# KiCad board Right.kicad_pcb
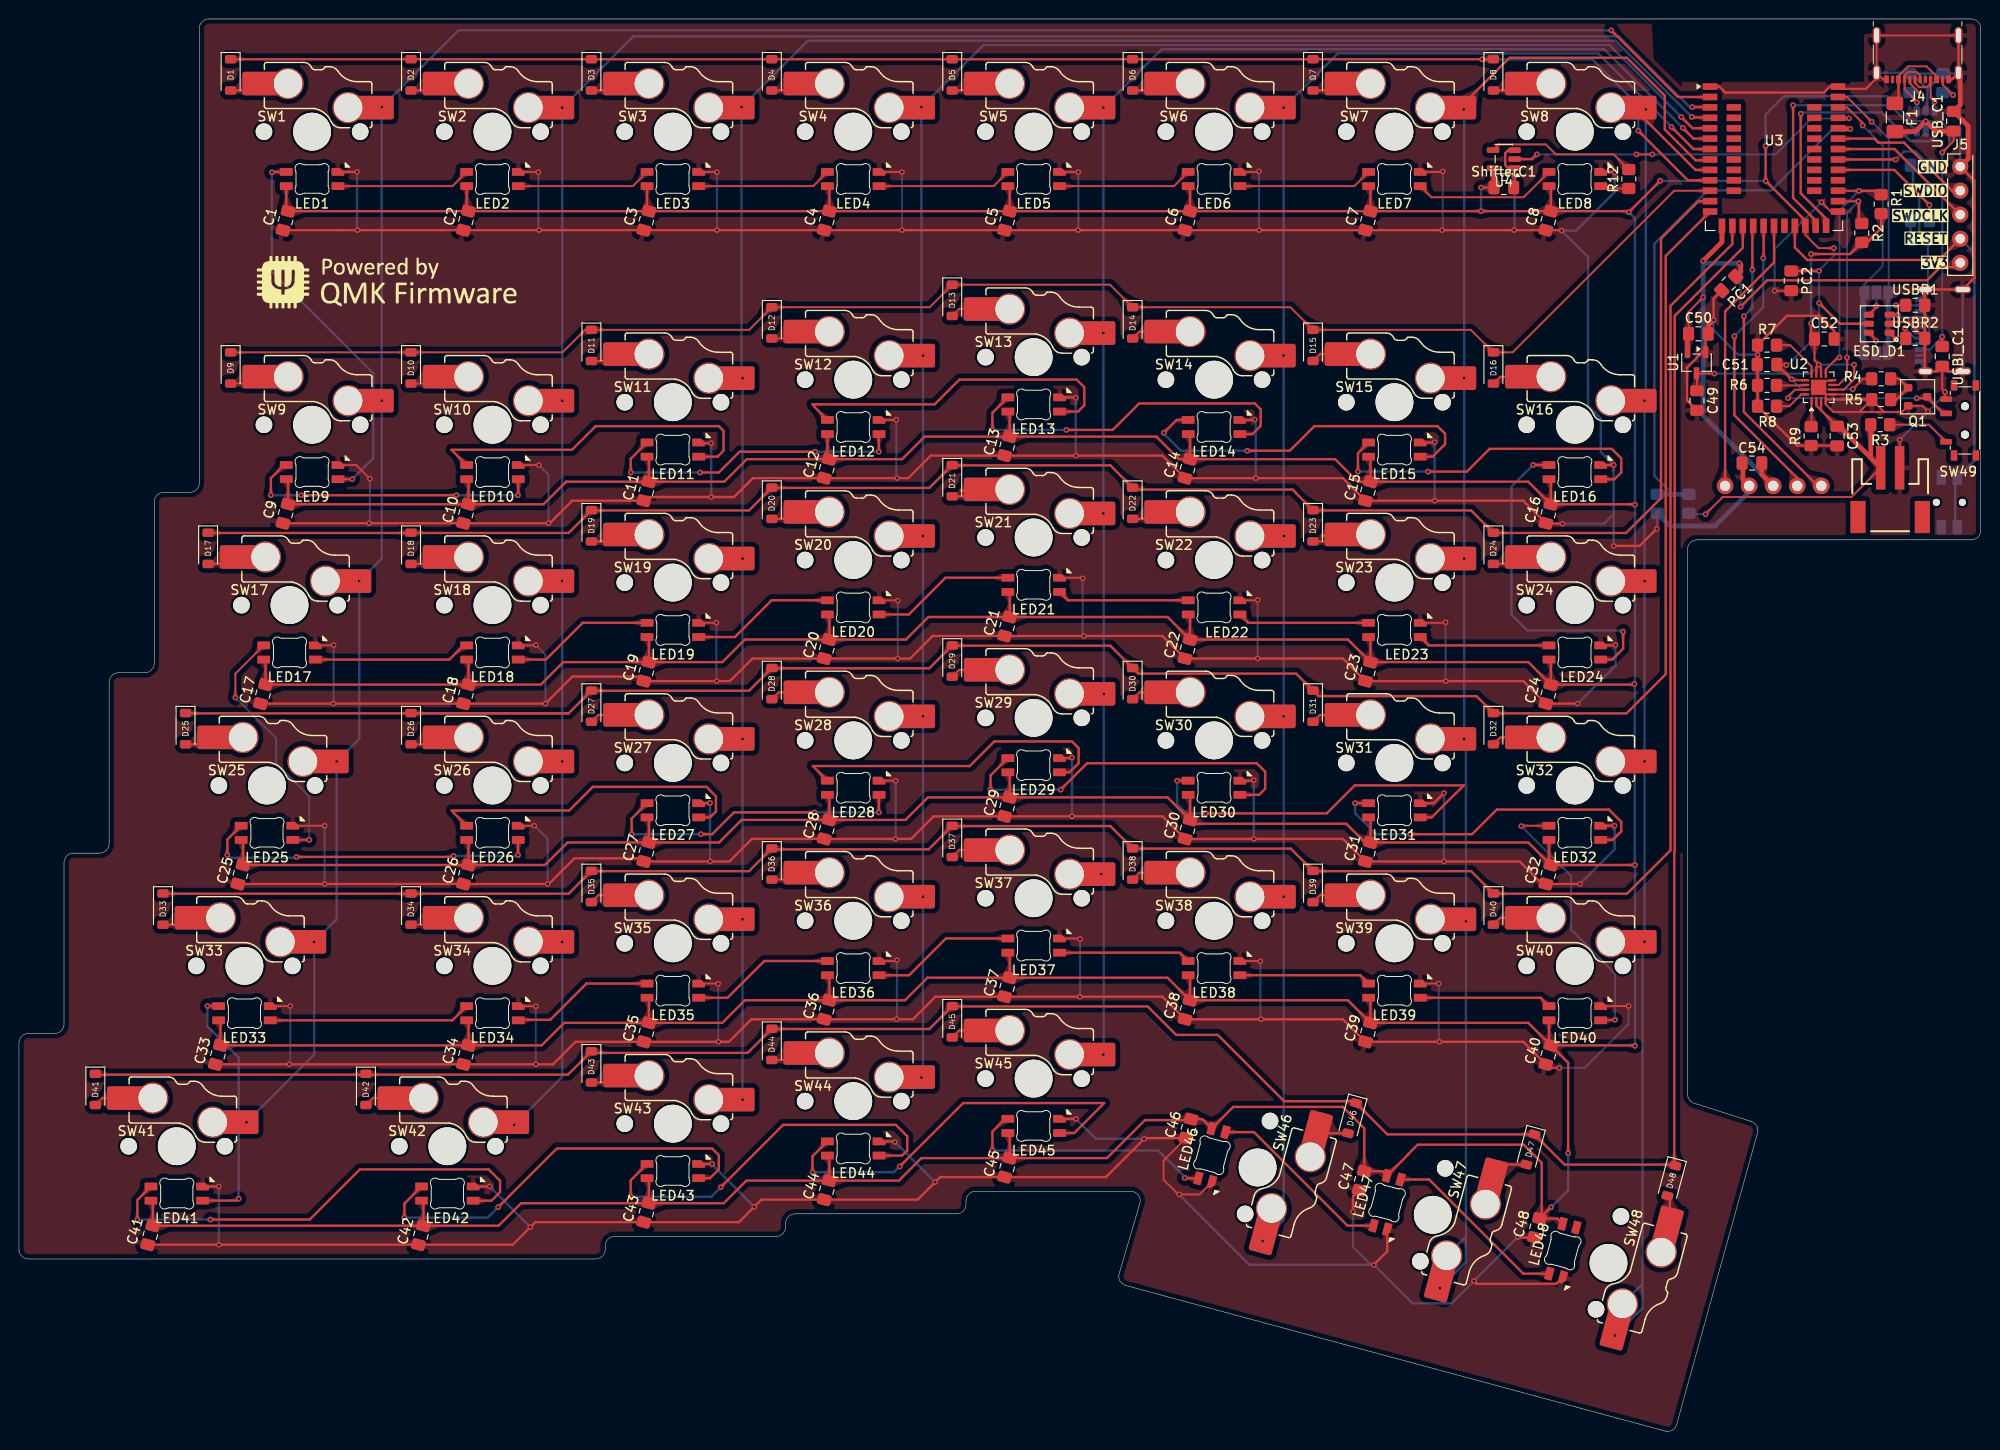
[diagram p0: board, top side]
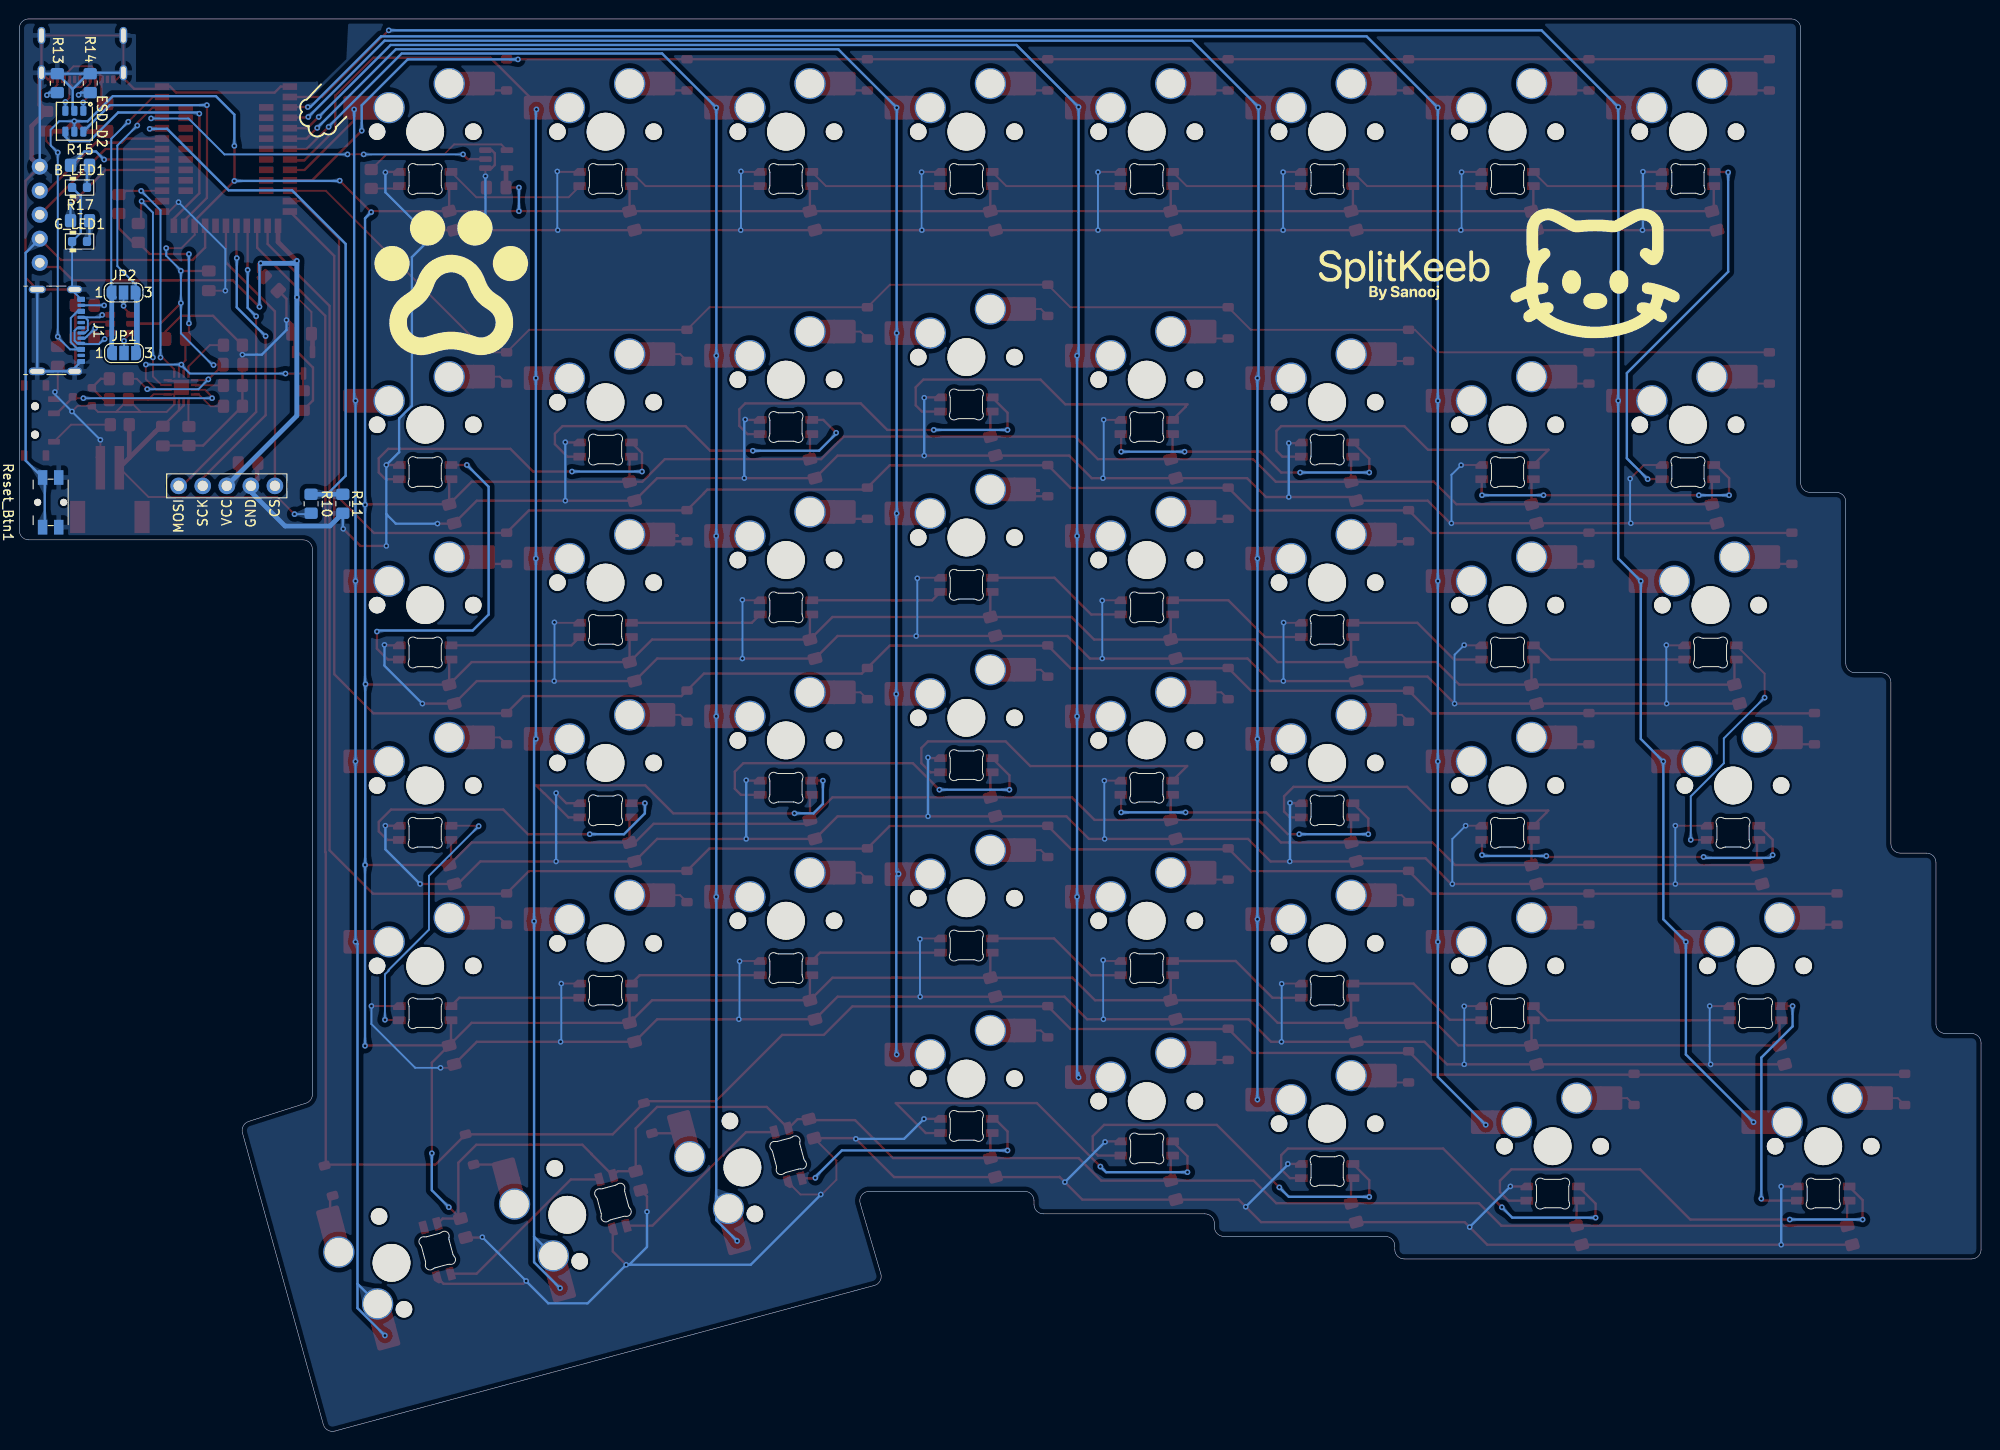
[diagram p1: board, bottom side, seen from below]

Outline 207.17 x 149.15 mm; copper layers: Top, Bottom. Coordinates in mm from the lower left corner of the outline.
Outline path: 0,40.99 0,19.17 arc(0.3,18.47) 1,18.18 60.92,18.18 arc(61.62,18.48) 61.91,19.18 61.91,19.56 arc(62.21,20.27) 62.91,20.56 79.96,20.56 arc(80.67,20.85) 80.96,21.56 80.96,21.94 arc(81.26,22.65) 81.97,22.94 99.02,22.94 arc(99.72,23.24) 100.01,23.94 100.01,24.32 arc(100.31,25.03) 101.01,25.32 117.41,25.32 arc(118.21,24.92) 118.37,24.04 116.18,16.59 arc(116.28,15.83) 116.89,15.37 173.84,0 arc(174.59,0.1) 175.06,0.7 183.6,31.49 arc(183.51,32.23) 182.94,32.7 176.91,34.63 arc(176.4,34.99) 176.21,35.58 176.21,93.13 arc(176.51,93.84) 177.21,94.13 206.17,94.13 arc(206.88,94.42) 207.17,95.13 207.17,148.16 arc(206.87,148.86) 206.17,149.15 20.05,149.15 arc(19.34,148.85) 19.05,148.15 19.05,100.14 arc(18.75,99.43) 18.04,99.14 15.28,99.14 arc(14.58,98.84) 14.29,98.14 14.29,81.09 arc(13.99,80.38) 13.29,80.09 10.52,80.09 arc(9.82,79.8) 9.52,79.09 9.52,62.04 arc(9.23,61.33) 8.52,61.04 5.76,61.04 arc(5.06,60.75) 4.76,60.04 4.76,42.99 arc(4.47,42.28) 3.75,41.99 0.99,41.99 arc(0.29,41.69) 0,40.99

## Placement (name value [footprint] x y rotation side)
B_LED1  LED_0603_Blue  [LED_0603_1608Metric]  200.81 131.34 180 bottom
C1  0.1uF  [C_0805_2012Metric_Pad1.18x1.45mm_HandSolder]  28.16 127.84 75 top
C2  0.1uF  [C_0805_2012Metric_Pad1.18x1.45mm_HandSolder]  47.21 127.84 75 top
C3  0.1uF  [C_0805_2012Metric_Pad1.18x1.45mm_HandSolder]  66.26 127.84 75 top
C4  0.1uF  [C_0805_2012Metric_Pad1.18x1.45mm_HandSolder]  85.31 127.84 75 top
C5  0.1uF  [C_0805_2012Metric_Pad1.18x1.45mm_HandSolder]  104.36 127.84 75 top
C6  0.1uF  [C_0805_2012Metric_Pad1.18x1.45mm_HandSolder]  123.41 127.84 75 top
C7  0.1uF  [C_0805_2012Metric_Pad1.18x1.45mm_HandSolder]  142.46 127.84 75 top
C8  0.1uF  [C_0805_2012Metric_Pad1.18x1.45mm_HandSolder]  161.51 127.84 75 top
C9  0.1uF  [C_0805_2012Metric_Pad1.18x1.45mm_HandSolder]  28.16 96.88 75 top
C10  0.1uF  [C_0805_2012Metric_Pad1.18x1.45mm_HandSolder]  47.21 96.88 75 top
C11  0.1uF  [C_0805_2012Metric_Pad1.18x1.45mm_HandSolder]  66.26 99.27 75 top
C12  0.1uF  [C_0805_2012Metric_Pad1.18x1.45mm_HandSolder]  85.31 101.65 75 top
C13  0.1uF  [C_0805_2012Metric_Pad1.18x1.45mm_HandSolder]  104.36 104.03 75 top
C14  0.1uF  [C_0805_2012Metric_Pad1.18x1.45mm_HandSolder]  123.41 101.65 75 top
C15  0.1uF  [C_0805_2012Metric_Pad1.18x1.45mm_HandSolder]  142.46 99.27 75 top
C16  0.1uF  [C_0805_2012Metric_Pad1.18x1.45mm_HandSolder]  161.51 96.88 75 top
C17  0.1uF  [C_0805_2012Metric_Pad1.18x1.45mm_HandSolder]  25.77 77.83 75 top
C18  0.1uF  [C_0805_2012Metric_Pad1.18x1.45mm_HandSolder]  47.21 77.83 75 top
C19  0.1uF  [C_0805_2012Metric_Pad1.18x1.45mm_HandSolder]  66.26 80.22 75 top
C20  0.1uF  [C_0805_2012Metric_Pad1.18x1.45mm_HandSolder]  85.31 82.6 75 top
C21  0.1uF  [C_0805_2012Metric_Pad1.18x1.45mm_HandSolder]  104.36 84.98 75 top
C22  0.1uF  [C_0805_2012Metric_Pad1.18x1.45mm_HandSolder]  123.41 82.6 75 top
C23  0.1uF  [C_0805_2012Metric_Pad1.18x1.45mm_HandSolder]  142.46 80.22 75 top
C24  0.1uF  [C_0805_2012Metric_Pad1.18x1.45mm_HandSolder]  161.51 77.83 75 top
C25  0.1uF  [C_0805_2012Metric_Pad1.18x1.45mm_HandSolder]  23.39 58.78 75 top
C26  0.1uF  [C_0805_2012Metric_Pad1.18x1.45mm_HandSolder]  47.21 58.78 75 top
C27  0.1uF  [C_0805_2012Metric_Pad1.18x1.45mm_HandSolder]  66.26 61.17 75 top
C28  0.1uF  [C_0805_2012Metric_Pad1.18x1.45mm_HandSolder]  85.31 63.55 75 top
C29  0.1uF  [C_0805_2012Metric_Pad1.18x1.45mm_HandSolder]  104.36 65.93 75 top
C30  0.1uF  [C_0805_2012Metric_Pad1.18x1.45mm_HandSolder]  123.41 63.55 75 top
C31  0.1uF  [C_0805_2012Metric_Pad1.18x1.45mm_HandSolder]  142.46 61.17 75 top
C32  0.1uF  [C_0805_2012Metric_Pad1.18x1.45mm_HandSolder]  161.51 58.78 75 top
C33  0.1uF  [C_0805_2012Metric_Pad1.18x1.45mm_HandSolder]  21.01 39.73 75 top
C34  0.1uF  [C_0805_2012Metric_Pad1.18x1.45mm_HandSolder]  47.21 39.73 75 top
C35  0.1uF  [C_0805_2012Metric_Pad1.18x1.45mm_HandSolder]  66.26 42.12 75 top
C36  0.1uF  [C_0805_2012Metric_Pad1.18x1.45mm_HandSolder]  85.31 44.5 75 top
C37  0.1uF  [C_0805_2012Metric_Pad1.18x1.45mm_HandSolder]  104.36 46.88 75 top
C38  0.1uF  [C_0805_2012Metric_Pad1.18x1.45mm_HandSolder]  123.41 44.5 75 top
C39  0.1uF  [C_0805_2012Metric_Pad1.18x1.45mm_HandSolder]  142.46 42.12 75 top
C40  0.1uF  [C_0805_2012Metric_Pad1.18x1.45mm_HandSolder]  161.51 39.73 75 top
C41  0.1uF  [C_0805_2012Metric_Pad1.18x1.45mm_HandSolder]  13.87 20.68 75 top
C42  0.1uF  [C_0805_2012Metric_Pad1.18x1.45mm_HandSolder]  42.44 20.68 75 top
C43  0.1uF  [C_0805_2012Metric_Pad1.18x1.45mm_HandSolder]  66.26 23.07 75 top
C44  0.1uF  [C_0805_2012Metric_Pad1.18x1.45mm_HandSolder]  85.31 25.45 75 top
C45  0.1uF  [C_0805_2012Metric_Pad1.18x1.45mm_HandSolder]  104.36 27.83 75 top
C46  0.1uF  [C_0805_2012Metric_Pad1.18x1.45mm_HandSolder]  123.51 31.94 75 top
C47  0.1uF  [C_0805_2012Metric_Pad1.18x1.45mm_HandSolder]  141.81 26.44 75 top
C48  0.1uF  [C_0805_2012Metric_Pad1.18x1.45mm_HandSolder]  160.31 21.44 75 top
C49  1u  [C_0805_2012Metric_Pad1.18x1.45mm_HandSolder]  177.21 108.84 270 top
C50  1u  [C_0805_2012Metric_Pad1.18x1.45mm_HandSolder]  177.36 115.89 0 top
C51  4.7uF  [C_0805_2012Metric_Pad1.18x1.45mm_HandSolder]  184.61 112.64 180 top
C52  4.7uF  [C_0805_2012Metric_Pad1.18x1.45mm_HandSolder]  190.66 115.34 0 top
C53  4.7uF  [C_0805_2012Metric_Pad1.18x1.45mm_HandSolder]  192.01 105.09 270 top
C54  0.1u  [C_0805_2012Metric_Pad1.18x1.45mm_HandSolder]  183.01 102.24 180 top
D1  D  [D_SOD-123]  22.36 143.24 270 top
D2  D  [D_SOD-123]  41.41 143.24 270 top
D3  D  [D_SOD-123]  60.46 143.24 270 top
D4  D  [D_SOD-123]  79.51 143.24 270 top
D5  D  [D_SOD-123]  98.56 143.24 270 top
D6  D  [D_SOD-123]  117.61 143.24 270 top
D7  D  [D_SOD-123]  136.66 143.24 270 top
D8  D  [D_SOD-123]  155.71 143.24 270 top
D9  D  [D_SOD-123]  22.36 112.28 270 top
D10  D  [D_SOD-123]  41.41 112.28 270 top
D11  D  [D_SOD-123]  60.46 114.67 270 top
D12  D  [D_SOD-123]  79.51 117.05 270 top
D13  D  [D_SOD-123]  98.56 119.43 270 top
D14  D  [D_SOD-123]  117.61 117.05 270 top
D15  D  [D_SOD-123]  136.66 114.67 270 top
D16  D  [D_SOD-123]  155.71 112.28 270 top
D17  D  [D_SOD-123]  19.98 93.23 270 top
D18  D  [D_SOD-123]  41.41 93.23 270 top
D19  D  [D_SOD-123]  60.46 95.62 270 top
D20  D  [D_SOD-123]  79.51 98 270 top
D21  D  [D_SOD-123]  98.56 100.38 270 top
D22  D  [D_SOD-123]  117.61 98 270 top
D23  D  [D_SOD-123]  136.66 95.62 270 top
D24  D  [D_SOD-123]  155.71 93.23 270 top
D25  D  [D_SOD-123]  17.59 74.18 270 top
D26  D  [D_SOD-123]  41.41 74.18 270 top
D27  D  [D_SOD-123]  60.46 76.57 270 top
D28  D  [D_SOD-123]  79.51 78.95 270 top
D29  D  [D_SOD-123]  98.56 81.33 270 top
D30  D  [D_SOD-123]  117.61 78.95 270 top
D31  D  [D_SOD-123]  136.66 76.57 270 top
D32  D  [D_SOD-123]  155.71 74.18 270 top
D33  D  [D_SOD-123]  15.21 55.13 270 top
D34  D  [D_SOD-123]  41.41 55.13 270 top
D35  D  [D_SOD-123]  60.46 57.52 270 top
D36  D  [D_SOD-123]  79.51 59.9 270 top
D37  D  [D_SOD-123]  98.56 62.28 270 top
D38  D  [D_SOD-123]  117.61 59.9 270 top
D39  D  [D_SOD-123]  136.66 57.52 270 top
D40  D  [D_SOD-123]  155.71 55.13 270 top
D41  D  [D_SOD-123]  8.07 36.08 270 top
D42  D  [D_SOD-123]  36.64 36.08 270 top
D43  D  [D_SOD-123]  60.46 38.47 270 top
D44  D  [D_SOD-123]  79.51 40.85 270 top
D45  D  [D_SOD-123]  98.56 43.23 270 top
D46  D  [D_SOD-123]  140.78 33.05 255 top
D47  D  [D_SOD-123]  159.61 29.74 255 top
D48  D  [D_SOD-123]  174.51 26.44 255 top
ESD_D1  USBLC6-2SC6  [SOT-23-6]  196.46 116.95 180 top
ESD_D2  USBLC6-2SC6  [SOT-23-6#2]  201.36 138.34 270 bottom
F1  750mA  [Fuse_1206_3216Metric_Pad1.42x1.75mm_HandSolder]  198.11 138.74 270 top
G***  -  [LOGO]  38.89 121.37 0 top
G***#2  -  [LOGO]  40.76 122.69 180 bottom
G***#3  -  [LOGO]  60.96 122.59 180 bottom
G***#4  -  [LOGO]  161.56 121.44 180 bottom
G_LED1  LED_0603_Green  [LED_0603_1608Metric]  200.81 125.64 180 bottom
J1  USB_C_Receptacle_USB2.0_16P  [USB_C_Receptacle_HRO_TYPE-C-31-M-23]  203.06 116.25 270 bottom
J3  JST_2mm_LiPo  [JST_1x02_P2.0mm_Horizontal_SMD]  197.61 98.04 180 top
J4  USB_C_Receptacle_USB2.0_16P  [USB_C_Receptacle_HRO_TYPE-C-31-M-23]  200.5 145.19 180 top
J5  DEV_HEADERS  [PinHeader_01x05_P2.54mm_Vertical_THT_D1mm]  205.01 133.55 0 top
JP1  SolderJumper  [SolderJumper-3_P1.3mm_Open_RoundedPad1.0x1.5mm_NumberLabels]  196.11 113.85 180 bottom
JP2  SolderJumper  [SolderJumper-3_P1.3mm_Open_RoundedPad1.0x1.5mm_NumberLabels]  196.16 120.25 180 bottom
LED1  MX_SK6812MINI-E  [LED_MX_6028R-ROT]  30.96 132.24 0 top
LED2  MX_SK6812MINI-E  [LED_MX_6028R-ROT]  50.01 132.24 0 top
LED3  MX_SK6812MINI-E  [LED_MX_6028R-ROT]  69.06 132.24 0 top
LED4  MX_SK6812MINI-E  [LED_MX_6028R-ROT]  88.11 132.24 0 top
LED5  MX_SK6812MINI-E  [LED_MX_6028R-ROT]  107.16 132.24 0 top
LED6  MX_SK6812MINI-E  [LED_MX_6028R-ROT]  126.21 132.24 0 top
LED7  MX_SK6812MINI-E  [LED_MX_6028R-ROT]  145.26 132.24 0 top
LED8  MX_SK6812MINI-E  [LED_MX_6028R-ROT]  164.31 132.24 0 top
LED9  MX_SK6812MINI-E  [LED_MX_6028R-ROT]  30.96 101.28 0 top
LED10  MX_SK6812MINI-E  [LED_MX_6028R-ROT]  50.01 101.28 0 top
LED11  MX_SK6812MINI-E  [LED_MX_6028R-ROT]  69.06 103.67 0 top
LED12  MX_SK6812MINI-E  [LED_MX_6028R-ROT]  88.11 106.05 0 top
LED13  MX_SK6812MINI-E  [LED_MX_6028R-ROT]  107.16 108.43 0 top
LED14  MX_SK6812MINI-E  [LED_MX_6028R-ROT]  126.21 106.05 0 top
LED15  MX_SK6812MINI-E  [LED_MX_6028R-ROT]  145.26 103.67 0 top
LED16  MX_SK6812MINI-E  [LED_MX_6028R-ROT]  164.31 101.28 0 top
LED17  MX_SK6812MINI-E  [LED_MX_6028R-ROT]  28.57 82.23 0 top
LED18  MX_SK6812MINI-E  [LED_MX_6028R-ROT]  50.01 82.23 0 top
LED19  MX_SK6812MINI-E  [LED_MX_6028R-ROT]  69.06 84.62 0 top
LED20  MX_SK6812MINI-E  [LED_MX_6028R-ROT]  88.11 87 0 top
LED21  MX_SK6812MINI-E  [LED_MX_6028R-ROT]  107.16 89.38 0 top
LED22  MX_SK6812MINI-E  [LED_MX_6028R-ROT]  126.21 87 0 top
LED23  MX_SK6812MINI-E  [LED_MX_6028R-ROT]  145.26 84.62 0 top
LED24  MX_SK6812MINI-E  [LED_MX_6028R-ROT]  164.31 82.23 0 top
LED25  MX_SK6812MINI-E  [LED_MX_6028R-ROT]  26.19 63.18 0 top
LED26  MX_SK6812MINI-E  [LED_MX_6028R-ROT]  50.01 63.18 0 top
LED27  MX_SK6812MINI-E  [LED_MX_6028R-ROT]  69.06 65.57 0 top
LED28  MX_SK6812MINI-E  [LED_MX_6028R-ROT]  88.11 67.95 0 top
LED29  MX_SK6812MINI-E  [LED_MX_6028R-ROT]  107.16 70.33 0 top
LED30  MX_SK6812MINI-E  [LED_MX_6028R-ROT]  126.21 67.95 0 top
LED31  MX_SK6812MINI-E  [LED_MX_6028R-ROT]  145.26 65.57 0 top
LED32  MX_SK6812MINI-E  [LED_MX_6028R-ROT]  164.31 63.18 0 top
LED33  MX_SK6812MINI-E  [LED_MX_6028R-ROT]  23.81 44.13 0 top
LED34  MX_SK6812MINI-E  [LED_MX_6028R-ROT]  50.01 44.13 0 top
LED35  MX_SK6812MINI-E  [LED_MX_6028R-ROT]  69.06 46.52 0 top
LED36  MX_SK6812MINI-E  [LED_MX_6028R-ROT]  88.11 48.9 0 top
LED37  MX_SK6812MINI-E  [LED_MX_6028R-ROT]  107.16 51.28 0 top
LED38  MX_SK6812MINI-E  [LED_MX_6028R-ROT]  126.21 48.9 0 top
LED39  MX_SK6812MINI-E  [LED_MX_6028R-ROT]  145.26 46.52 0 top
LED40  MX_SK6812MINI-E  [LED_MX_6028R-ROT]  164.31 44.13 0 top
LED41  MX_SK6812MINI-E  [LED_MX_6028R-ROT]  16.67 25.08 0 top
LED42  MX_SK6812MINI-E  [LED_MX_6028R-ROT]  45.24 25.08 0 top
LED43  MX_SK6812MINI-E  [LED_MX_6028R-ROT]  69.06 27.47 0 top
LED44  MX_SK6812MINI-E  [LED_MX_6028R-ROT]  88.11 29.85 0 top
LED45  MX_SK6812MINI-E  [LED_MX_6028R-ROT]  107.16 32.23 0 top
LED46  MX_SK6812MINI-E  [LED_MX_6028R-ROT#2]  125.98 29.14 255 top
LED47  MX_SK6812MINI-E  [LED_MX_6028R-ROT]  144.48 24.14 255 top
LED48  MX_SK6812MINI-E  [LED_MX_6028R-ROT#2]  163.03 19.06 255 top
OLED1  nice!view  [nice_view]  185.26 116.34 180 bottom
PC1  0.1u  [C_0805_2012Metric_Pad1.18x1.45mm_HandSolder]  180.56 121.19 225 top
PC2  0.1u  [C_0805_2012Metric_Pad1.18x1.45mm_HandSolder]  187.16 121.49 270 top
Q1  2N7002  [SOT-23]  200.51 109.24 0 top
R1  10k  [R_0805_2012Metric_Pad1.20x1.40mm_HandSolder]  196.66 129.59 270 top
R2  10k  [R_0805_2012Metric_Pad1.20x1.40mm_HandSolder]  194.61 126.54 270 top
R3  100k  [R_0805_2012Metric_Pad1.20x1.40mm_HandSolder]  196.56 106.29 180 top
R4  100R  [R_0805_2012Metric_Pad1.20x1.40mm_HandSolder]  196.66 111.14 180 top
R5  10k  [R_0805_2012Metric_Pad1.20x1.40mm_HandSolder]  196.66 108.94 0 top
R6  47k  [R_0805_2012Metric_Pad1.20x1.40mm_HandSolder]  184.61 110.44 0 top
R7  1.5k  [R_0805_2012Metric_Pad1.20x1.40mm_HandSolder]  184.61 114.69 0 top
R8  3.9k  [R_0805_2012Metric_Pad1.20x1.40mm_HandSolder]  184.61 108.24 0 top
R9  10k  [R_0805_2012Metric_Pad1.20x1.40mm_HandSolder]  189.26 105.09 90 top
R10  806/820k  [R_0805_2012Metric_Pad1.20x1.40mm_HandSolder]  176.36 97.94 90 bottom
R11  2M  [R_0805_2012Metric_Pad1.20x1.40mm_HandSolder]  173.01 97.94 270 bottom
R12  470  [R_0805_2012Metric_Pad1.20x1.40mm_HandSolder]  170.01 132.24 90 top
R13  5.1k  [R_0805_2012Metric_Pad1.20x1.40mm_HandSolder]  203.16 142.37 90 bottom
R14  5.1k  [R_0805_2012Metric_Pad1.20x1.40mm_HandSolder]  199.68 142.37 90 bottom
R15  1k  [R_0805_2012Metric_Pad1.20x1.40mm_HandSolder]  200.76 133.69 180 bottom
R17  1k  [R_0805_2012Metric_Pad1.20x1.40mm_HandSolder]  200.76 127.84 180 bottom
Reset_Btn1  SW_Push  [Panasonic_EVQPUL_EVQPUC]  203.86 98.09 90 bottom
ShifterC1  0.1uF  [C_0805_2012Metric_Pad1.18x1.45mm_HandSolder]  156.81 131.34 0 top
SW1  SW_Push  [SW_MX_HS_KS-2P02B01-01_1u]  30.96 137.24 0 top
SW2  SW_Push  [SW_MX_HS_KS-2P02B01-01_1u]  50.01 137.24 0 top
SW3  SW_Push  [SW_MX_HS_KS-2P02B01-01_1u]  69.06 137.24 0 top
SW4  SW_Push  [SW_MX_HS_KS-2P02B01-01_1u]  88.11 137.24 0 top
SW5  SW_Push  [SW_MX_HS_KS-2P02B01-01_1u]  107.16 137.24 0 top
SW6  SW_Push  [SW_MX_HS_KS-2P02B01-01_1u]  126.21 137.24 0 top
SW7  SW_Push  [SW_MX_HS_KS-2P02B01-01_1u]  145.26 137.24 0 top
SW8  SW_Push  [SW_MX_HS_KS-2P02B01-01_1u]  164.31 137.24 0 top
SW9  SW_Push  [SW_MX_HS_KS-2P02B01-01_1u]  30.96 106.28 0 top
SW10  SW_Push  [SW_MX_HS_KS-2P02B01-01_1u]  50.01 106.28 0 top
SW11  SW_Push  [SW_MX_HS_KS-2P02B01-01_1u]  69.06 108.67 0 top
SW12  SW_Push  [SW_MX_HS_KS-2P02B01-01_1u]  88.11 111.05 0 top
SW13  SW_Push  [SW_MX_HS_KS-2P02B01-01_1u]  107.16 113.43 0 top
SW14  SW_Push  [SW_MX_HS_KS-2P02B01-01_1u]  126.21 111.05 0 top
SW15  SW_Push  [SW_MX_HS_KS-2P02B01-01_1u]  145.26 108.67 0 top
SW16  SW_Push  [SW_MX_HS_KS-2P02B01-01_1u]  164.31 106.28 0 top
SW17  SW_Push  [SW_MX_HS_KS-2P02B01-01_1.25u]  28.57 87.23 0 top
SW18  SW_Push  [SW_MX_HS_KS-2P02B01-01_1u]  50.01 87.23 0 top
SW19  SW_Push  [SW_MX_HS_KS-2P02B01-01_1u]  69.06 89.62 0 top
SW20  SW_Push  [SW_MX_HS_KS-2P02B01-01_1u]  88.11 92 0 top
SW21  SW_Push  [SW_MX_HS_KS-2P02B01-01_1u]  107.16 94.38 0 top
SW22  SW_Push  [SW_MX_HS_KS-2P02B01-01_1u]  126.21 92 0 top
SW23  SW_Push  [SW_MX_HS_KS-2P02B01-01_1u]  145.26 89.62 0 top
SW24  SW_Push  [SW_MX_HS_KS-2P02B01-01_1u]  164.31 87.23 0 top
SW25  SW_Push  [SW_MX_HS_KS-2P02B01-01_1.5u]  26.19 68.18 0 top
SW26  SW_Push  [SW_MX_HS_KS-2P02B01-01_1u]  50.01 68.18 0 top
SW27  SW_Push  [SW_MX_HS_KS-2P02B01-01_1u]  69.06 70.57 0 top
SW28  SW_Push  [SW_MX_HS_KS-2P02B01-01_1u]  88.11 72.95 0 top
SW29  SW_Push  [SW_MX_HS_KS-2P02B01-01_1u]  107.16 75.33 0 top
SW30  SW_Push  [SW_MX_HS_KS-2P02B01-01_1u]  126.21 72.95 0 top
SW31  SW_Push  [SW_MX_HS_KS-2P02B01-01_1u]  145.26 70.57 0 top
SW32  SW_Push  [SW_MX_HS_KS-2P02B01-01_1u]  164.31 68.18 0 top
SW33  SW_Push  [SW_MX_HS_KS-2P02B01-01_1.75u]  23.81 49.13 0 top
SW34  SW_Push  [SW_MX_HS_KS-2P02B01-01_1u]  50.01 49.13 0 top
SW35  SW_Push  [SW_MX_HS_KS-2P02B01-01_1u]  69.06 51.52 0 top
SW36  SW_Push  [SW_MX_HS_KS-2P02B01-01_1u]  88.11 53.9 0 top
SW37  SW_Push  [SW_MX_HS_KS-2P02B01-01_1u]  107.16 56.28 0 top
SW38  SW_Push  [SW_MX_HS_KS-2P02B01-01_1u]  126.21 53.9 0 top
SW39  SW_Push  [SW_MX_HS_KS-2P02B01-01_1u]  145.26 51.52 0 top
SW40  SW_Push  [SW_MX_HS_KS-2P02B01-01_1u]  164.31 49.13 0 top
SW41  SW_Push  [SW_MX_HS_KS-2P02B01-01_1.5u]  16.67 30.08 0 top
SW42  SW_Push  [SW_MX_HS_KS-2P02B01-01_1.5u]  45.24 30.08 0 top
SW43  SW_Push  [SW_MX_HS_KS-2P02B01-01_1u]  69.06 32.47 0 top
SW44  SW_Push  [SW_MX_HS_KS-2P02B01-01_1u]  88.11 34.85 0 top
SW45  SW_Push  [SW_MX_HS_KS-2P02B01-01_1u]  107.16 37.23 0 top
SW46  SW_Push  [SW_MX_HS_KS-2P02B01-01_1.25u]  130.81 27.84 255 top
SW47  SW_Push  [SW_MX_HS_KS-2P02B01-01_1.5u]  149.31 22.84 255 top
SW48  SW_Push  [SW_MX_HS_KS-2P02B01-01_1.75u]  167.86 17.77 255 top
SW49  SW_PWR  [SW_MSK12C02-HB]  205.51 106.74 270 top
U1  XC6206PxxxMR  [SOT-23-3]  177.16 112.84 270 top
U2  BQ24075RGT  [VQFN-16-1EP_3x3mm_P0.5mm_EP1.6x1.6mm]  190.06 110.24 90 top
U3  -  [nRF52840_holyiot_18010]  185.34 136.3 0 top
U4  SN74LV1T125DBV  [SOT-23-5]  156.81 134.34 180 top
USB_C1  0.1uF  [C_0805_2012Metric_Pad1.18x1.45mm_HandSolder]  204.31 138.34 90 top
USBI_C1  0.1uF  [C_0805_2012Metric_Pad1.18x1.45mm_HandSolder]  203.11 113.5 270 top
USBR1  5.1k  [R_0805_2012Metric_Pad1.20x1.40mm_HandSolder]  200.26 118.9 0 top
USBR2  5.1k  [R_0805_2012Metric_Pad1.20x1.40mm_HandSolder]  200.26 115.4 0 top
